# KiCad board RADAR_Main_Boardq.kicad_pcb (continued)
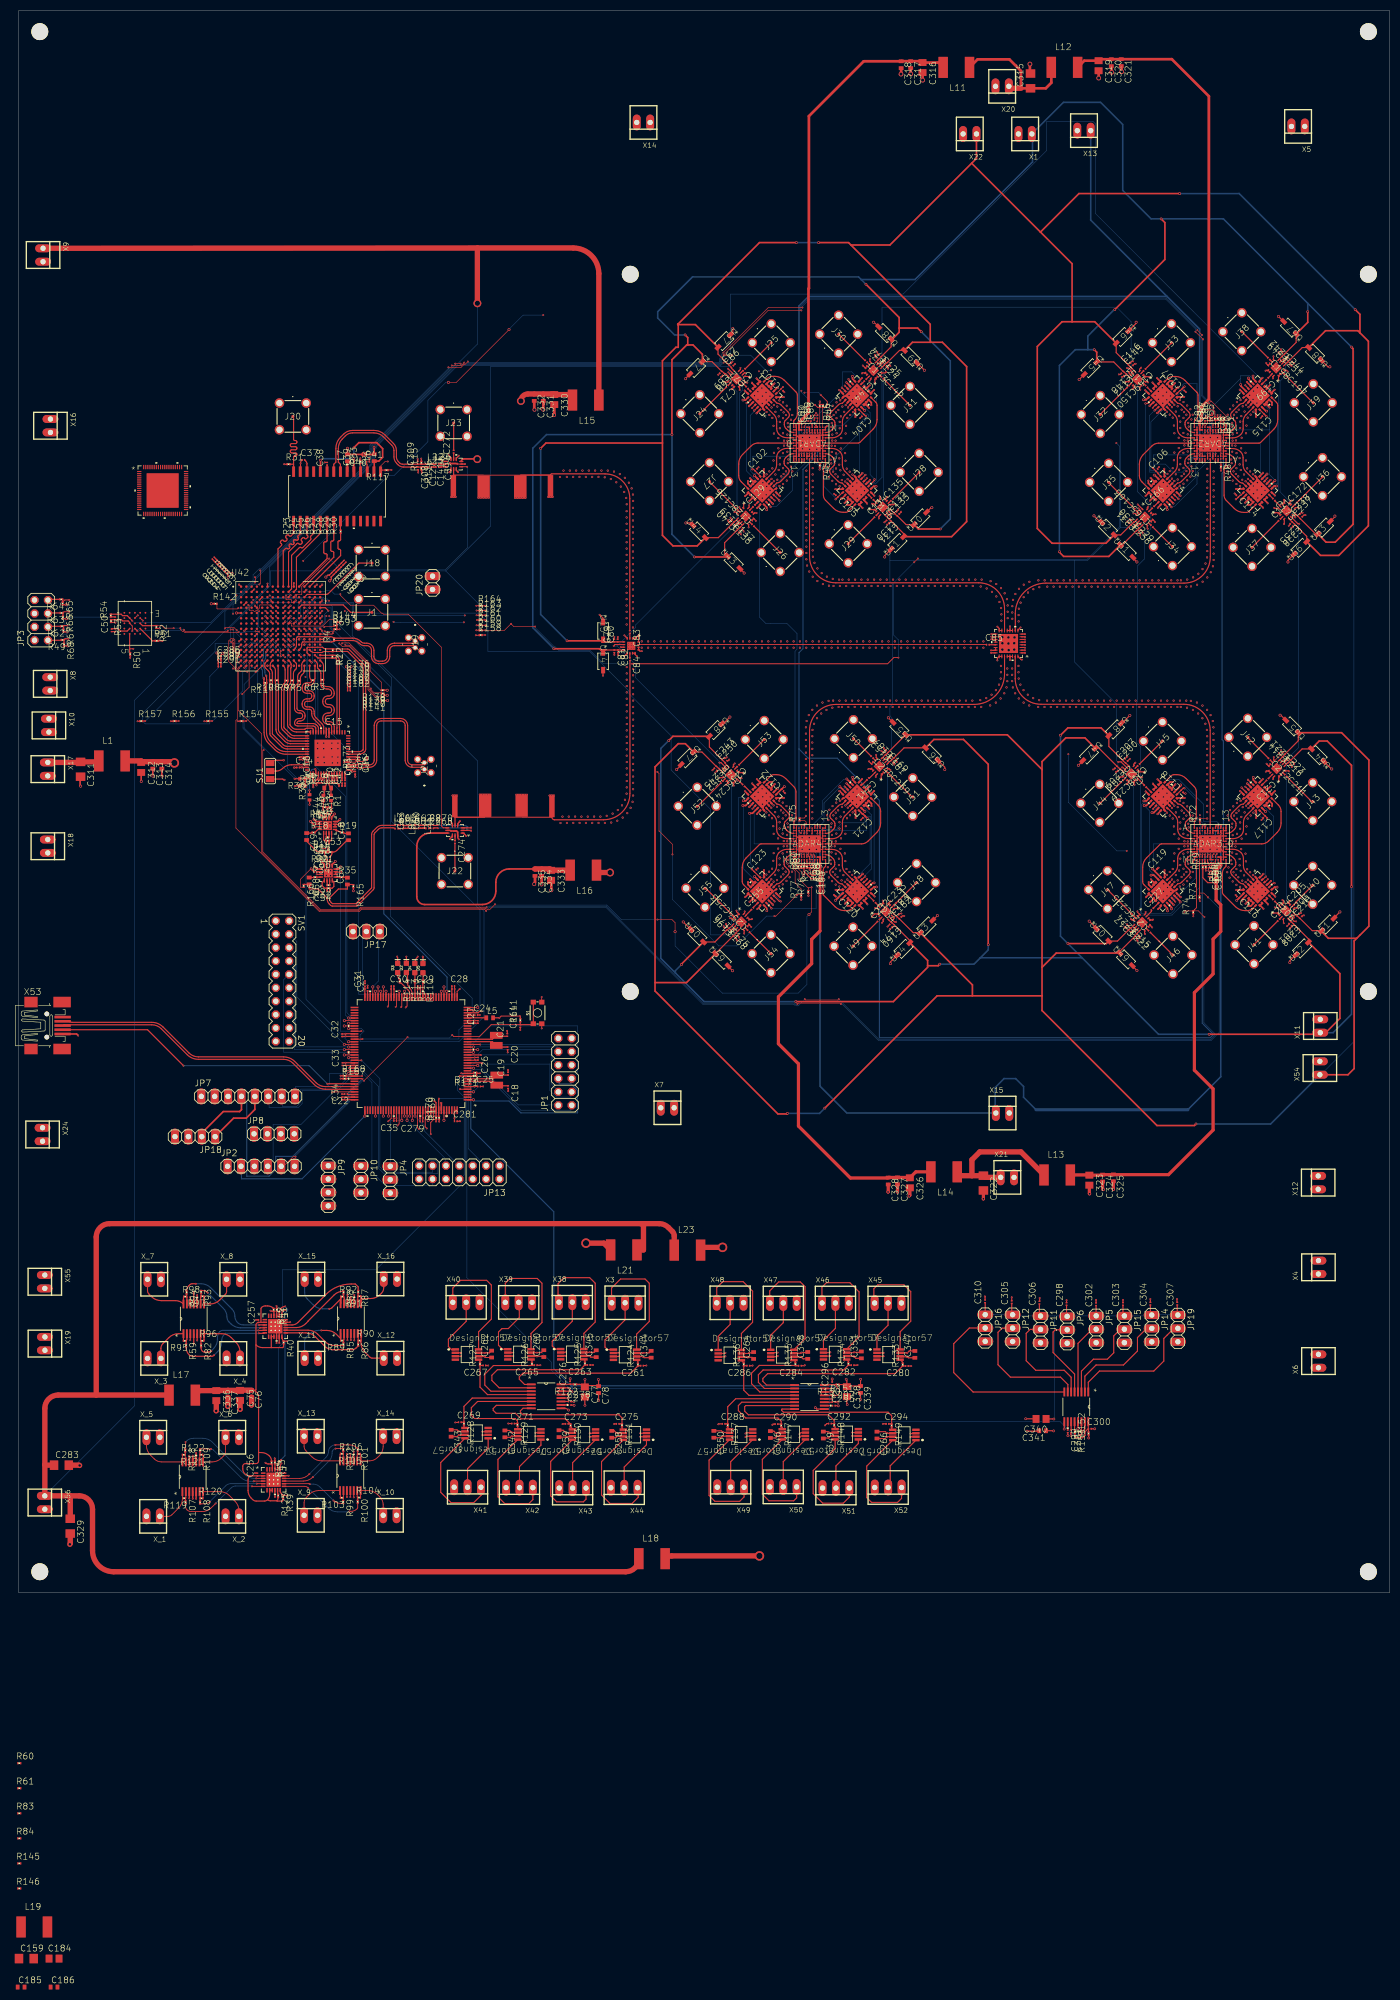
[diagram p0: board, top side]
## Routing (per net, layer and track width the routed paths; a pad name or vN(x,y) marks a point on that pad's centre or on a via; arc(x,y) is an arc through that point) (continued)
ADF4382_RX_DELSTR: length 34.7
  Top w0.15: U2.93 64.97,100.98 v1(65,100.95)
  Bottom w0.1: JP13.11 78.5,79.75 69.5,79.75 68.5,80.75 68.5,97.5 65,101 v1(65,100.95)
ADF4382_RX_LKDET: length 46.1
  Top w0.152: U2.91 v5(61.76,101.98)
  Bottom w0.1: v5(61.76,101.98) 62,102 64.5,102 64.5,99.75 68.25,96 68.25,80.5 69.25,79.5 79.5,79.5 79.5,81.5 79,82 76,82 76,81 JP13.13
ADF4382_TX_CE: length 15.2
  Top w0.15: U2.132 77.16,89.86 77.1,89.8 77.1,88.35 v1(77.4,88.05)
  In7.Cu w0.1: JP13.5 86,81 79,88 77.5,88 v1(77.4,88.05)
ADF4382_TX_CS: length 23.1
  Top w0.15: v1(75.95,87.9) 75.66,88.19 U2.129
  In7.Cu w0.1: JP13.4 88.5,78.25 87.75,77.5 83,77.5 82.5,78 82.5,81.25 76,87.75 v1(75.95,87.9)
ADF4382_TX_DELADJ: length 14
  Top w0.152: U2.128 v5(75.16,90.4)
  Bottom w0.1: JP13.7 83.5,81 77,87.5 77,88.5 75.25,90.25 v5(75.16,90.4)
ADF4382_TX_DELSTR: length 34.4
  Top w0.152: U2.127 v5(74.66,89.58)
  In7.Cu w0.1: JP13.6 86.25,78.5 87.25,79.5 87.25,86.75 79.75,94.25 76.25,94.25 72,90 72,89.5 72.5,89 74,89 74.5,89.5 v5(74.66,89.58)
ADF4382_TX_LKDET: length 24.7
  Top w0.152: U2.126 v5(74.16,90.4)
  Bottom w0.1: JP13.8 83.75,78.5 84.5,79.25 84.5,91 74.75,91 74.25,90.5 v5(74.16,90.4)
AMP_IF_IN_N: length 5
  Top w0.204: C52.2 59.12,139.6 arc(59.34,139.93) 59.41,140.31 R21.1 59.62,140.45 arc(60,140.53) 60.32,140.74 62.27,142.69 C48.1
AMP_IF_IN_P: length 5.5
  Top w0.204: C49.2 54.62,142.5 56.38,140.74 arc(56.7,140.53) 57.08,140.45 R20.2 57.96,140.35 arc(58.04,139.97) 58.26,139.64 C51.2
AMP_IN_N: length 31.5
  Top w0.204: L10.1 arc(71.35,145.52) 71.3,145.51 68.92,145.51 arc(68.36,145.4) 67.89,145.09 67.19,144.39 arc(67.01,144.11) 66.94,143.78 66.94,133.66 63.95,130.67 59.49,130.67 59.24,130.92 arc(59.03,131.24) 58.95,131.62 58.95,131.76 60.63,133.44 62.34,133.44 C57.1 63.26,134.3 arc(63.38,134.28) R165.1
AMP_IN_P: length 32.2
  Top w0.204: R166.1 arc(54.09,134.31) 54.13,134.32 C58.2 55.1,133.46 56.79,133.46 58.49,131.76 58.49,131.62 arc(58.6,131.06) 58.92,130.59 59.16,130.34 arc(59.31,130.24) 59.49,130.21 64.14,130.21 67.27,133.33 arc(67.37,133.48) 67.4,133.66 67.4,143.78 arc(67.43,143.93) 67.52,144.06 68.22,144.76 arc(68.54,144.97) 68.92,145.05 71,145.05 arc(71.21,145.01) L9.1
ANT1_1: length 0.7
  Top w0.204: C72.2 138.34,228.28 ADTR1107_3.17
ANT1_2: length 1
  Top w0.204: ADTR1107_7.17 214.1,228.52 C151.2
ANT1_3: length 1
  Top w0.204: ADTR1107_10.17 237.9,131.48 C206.2
ANT1_4: length 1.4
  Top w0.204: C234.2 162.15,131.23 ADTR1107_14.17
ANT2_1: length 0.7
  Top w0.204: ADTR1107_1.17 C129.2
ANT2_2: length 1.2
  Top w0.204: C166.2 215.38,206 ADTR1107_5.17
ANT2_3: length 1.2
  Top w0.204: ADTR1107_12.17 235.86,153.21 C213.2
ANT2_4: length 1.5
  Top w0.204: C241.2 159.97,153.21 ADTR1107_16.17
ANT3_1: length 0.8
  Top w0.204: ADTR1107_2.17 161.75,207.63 C136.2
ANT3_2: length 1
  Top w0.204: ADTR1107_6.17 237.21,208.15 C173.2
ANT3_3: length 1.3
  Top w0.204: C220.2 213.87,152.75 ADTR1107_11.17
ANT3_4: length 1.6
  Top w0.204: ADTR1107_15.17 137.72,152.9 C248.2
ANT4_1: length 0.8
  Top w0.204: ADTR1107_4.17 159.86,229.21 C144.2
ANT4_2: length 1.1
  Top w0.204: ADTR1107_8.17 235.86,229.21 C199.2
ANT4_3: length 1.4
  Top w0.204: C227.2 216.17,130.77 ADTR1107_9.17
ANT4_4: length 1.2
  Top w0.204: C255.2 139.35,129.97 ADTR1107_13.17
DAC_0: length 13.2
  Top w0.204: R30.1 61.06,199.7 arc(60.99,199.54) 60.83,199.47 60.79,199.47 arc(60.63,199.41) 60.56,199.25 60.56,198.08 arc(60.63,197.92) 60.79,197.85 60.83,197.85 arc(60.99,197.78) 61.06,197.62 61.06,196.66 U42.A14
DAC_1: length 13.2
  Top w0.204: R29.1 59.76,199.65 arc(59.69,199.49) 59.53,199.42 59.42,199.42 arc(59.25,199.36) 59.19,199.2 59.19,197.68 arc(59.25,197.52) 59.42,197.45 59.53,197.45 arc(59.69,197.38) 59.76,197.22 59.76,196.36 U42.A13
DAC_1_VG_CLR: length 57.1
  Top w0.152: U2.134 v5(78.16,90.4)
  Top w0.204: U7.12 49.91,48.53 arc(50,48.1) R40.1 arc(50.28,47.71) 50.32,47.7 v1(50.9,47.7)
  In5.Cu w0.1: v1(50.9,47.7) 51,47.75 77,73.75 77,88.75 77.5,88.75 78.25,89.5 78.25,90.25 v5(78.16,90.4)
DAC_1_VG_LDAC: length 65.7
  Top w0.15: U2.135 78.66,89.71 78.15,89.2 v1(78.15,86.95)
  Top w0.204: U7.22 48.41,53.28 arc(48.4,53.35) R42.2 47.98,53.41 arc(47.86,53.43) v1(47.75,53.5)
  In5.Cu w0.1: v1(78.15,86.95) 78,87 77.5,87 77.5,73.75 51,47.25 50.5,47.25 50.5,51 49.5,52 49.25,52 v1(47.75,53.5)
DAC_2: length 13.2
  Top w0.204: U42.A12 58.49,196.09 58.49,196.79 arc(58.42,196.95) 58.26,197.01 58.08,197.01 arc(57.92,197.08) 57.86,197.24 57.86,199.05 arc(57.92,199.21) 58.08,199.27 58.26,199.27 arc(58.42,199.34) 58.49,199.5 R28.1
DAC_2_VG_CLR: length 87.8
  Top w0.152: U2.139 v5(80.66,89.58)
  Top w0.204: U69.12 arc(49.69,19.03) 49.93,18.66 R39.1 50.94,18.46 arc(50.94,18.45) 50.95,18.45 arc(50.95,18.45) v1(50.95,18.46)
  In5.Cu w0.1: v5(80.66,89.58) 80.5,89.5 80,89 80,46.75 55.25,22 54.5,22 51,18.5 v1(50.95,18.46)
DAC_2_VG_LDAC: length 85.6
  Top w0.152: U2.140 v5(81.16,90.4)
  Top w0.204: U69.22 48.1,24.1 arc(48.06,24.28) R44.2 47.32,24.44 arc(47.04,24.49) 46.8,24.65 arc(46.8,24.66) v1(46.8,24.66)
  In5.Cu w0.1: v5(81.16,90.4) 81,90.25 78.75,90.25 78.75,89.25 79,89 79.5,89 79.5,57.5 46.75,24.75 v1(46.8,24.66)
DAC_3: length 13.2
  Top w0.204: R27.1 52.68,196.34 52.68,190.28 U42.B11
DAC_4: length 13.6
  Top w0.204: R26.1 55.38,200.32 arc(55.31,200.16) 55.38,200 arc(55.44,199.84) 55.38,199.68 53.88,198.18 arc(53.72,198.11) 53.56,198.18 arc(53.4,198.25) 53.23,198.18 51.75,196.7 51.75,190.35 U42.B10
DAC_5: length 13.2
  Top w0.204: U42.A10 51.18,197.36 52.77,198.95 arc(52.93,199.01) 53.09,198.95 53.21,198.83 arc(53.37,198.77) 53.53,198.83 53.74,199.04 arc(53.8,199.2) 53.74,199.36 53.62,199.48 arc(53.56,199.64) 53.62,199.8 53.84,200.01 arc(54,200.08) 54.16,200.01 54.27,199.9 arc(54.43,199.83) 54.59,199.9 54.8,200.11 arc(54.87,200.27) 54.8,200.43 54.69,200.54 arc(54.62,200.7) R25.1
DAC_6: length 13.2
  Top w0.204: U42.A9 50.18,197.59 50.6,198.01 arc(50.76,198.07) 50.92,198.01 50.95,197.98 arc(51.11,197.91) 51.27,197.98 51.36,198.07 arc(51.43,198.23) 51.36,198.39 51.33,198.42 arc(51.27,198.58) 51.33,198.74 51.42,198.83 arc(51.58,198.89) 51.74,198.83 51.77,198.8 arc(51.93,198.73) 52.09,198.8 52.18,198.89 arc(52.25,199.05) 52.18,199.21 52.15,199.24 arc(52.09,199.4) 52.15,199.56 52.24,199.65 arc(52.4,199.71) 52.56,199.65 52.59,199.62 arc(52.75,199.55) 52.91,199.62 53,199.71 arc(53.07,199.87) 53,200.03 52.97,200.06 arc(52.91,200.22) 52.97,200.38 R24.1
DAC_7: length 13.2
  Top w0.204: R23.1 51.66,200.39 arc(51.5,200.33) 51.34,200.39 51.18,200.54 arc(51.02,200.61) 50.86,200.54 50.68,200.37 arc(50.62,200.21) 50.68,200.05 50.84,199.89 arc(50.9,199.73) 50.84,199.57 50.66,199.39 arc(50.5,199.33) 50.34,199.39 50.19,199.55 arc(50.02,199.61) 49.86,199.55 49.69,199.37 arc(49.62,199.21) 49.69,199.05 49.84,198.89 arc(49.9,198.73) 49.84,198.57 49.18,197.92 U42.A8
DAC_ACOM: length 2
  Top w0.3: U3.20 62.36,212.64 L7.1
DAC_AVDD: length 23.2
  Top w0.3: v3(63.55,215.03) 63.54,215.02 C39.2 ; U3.24 57.25,212.61 v3(57.25,214.75) ; v3(63.55,217.07) 63.55,217.1 64.53,218.07 67.9,218.07 69.03,216.95 69.03,215.3 68.3,214.57 L6.1 67.44,212.64 U3.16
  Bottom w0.3: v3(57.25,214.75) 57.27,214.73 57.57,215.03 v3(63.55,215.03) v3(63.55,217.07)
DAC_CLOCK: length 16.2
  Top w0.204: 52.13,214 52.13,215.33 arc(52.2,215.49) 52.36,215.56 52.52,215.56 arc(52.68,215.62) 52.75,215.78 52.75,215.91 arc(52.68,216.07) 52.52,216.14 51.75,216.14 arc(51.59,216.21) 51.52,216.37 51.52,216.5 arc(51.59,216.66) 51.75,216.72 52.52,216.72 arc(52.68,216.79) 52.75,216.95 52.75,217.08 arc(52.68,217.24) 52.52,217.31 51.75,217.31 arc(51.59,217.37) 51.52,217.53 51.52,217.66 arc(51.59,217.82) 51.75,217.89 52.52,217.89 arc(52.68,217.96) 52.75,218.12 52.75,218.25 arc(52.68,218.41) 52.52,218.47 52.36,218.47 arc(52.2,218.54) 52.13,218.7 52.13,222.72 arc(52.1,222.9) J20.1 ; 52.13,214 U3.28 ; 52.13,214 arc(52.12,213.99) 52.11,213.99 R31.2 arc(51.45,214) 51.46,214
DAC_IOUT_F_N: length 1.4
  Top w0.204: L27.2 80,213.43 arc(80.07,213.45) C59.2 arc(80.15,213.5) 80.16,213.5 81.02,213.5 arc(81.03,213.5) U5.3
DAC_IOUT_F_P: length 1.4
  Top w0.204: L26.2 80.02,214.04 arc(80.08,214.03) C59.1 arc(80.15,214) 80.16,214 81.02,214 arc(81.03,214) U5.2
DAC_IOUT_N: length 27.3
  Top w0.204: 76.44,213.47 C127.2 arc(77.3,213.43) 77.37,213.41 L25.1 ; 76.44,213.47 arc(76.42,213.46) 76.4,213.45 C308.1 73,213.45 arc(72.42,213.57) 71.92,213.9 71.69,214.13 arc(71.68,214.15) 71.67,214.17 arc(71.3,214.72) 71.18,215.37 71.18,216.57 arc(71.06,217.13) 70.75,217.6 69.17,219.18 arc(68.34,219.73) 67.37,219.93 63.3,219.93 arc(62.58,219.78) 61.98,219.38 61.37,218.77 arc(60.82,217.94) 60.62,216.97 60.62,214.38 61.02,213.97 U3.21 ; 76.44,213.47 arc(76.4,213.46) R115.2
DAC_IOUT_P: length 27.9
  Top w0.204: U3.22 59.76,213.97 60.16,214.38 60.16,216.97 arc(60.39,218.12) 61.04,219.09 61.65,219.7 arc(62.41,220.21) 63.3,220.39 67.37,220.39 arc(68.52,220.16) 69.5,219.51 71.08,217.93 arc(71.49,217.31) 71.64,216.57 71.64,215.37 arc(71.73,214.9) 72,214.5 arc(72,214.48) 72.02,214.46 72.25,214.23 arc(72.51,214.05) 72.82,213.99 75.64,213.99 arc(75.67,214) C309.1 76.36,214.01 arc(76.36,214.01) R116.2 77.15,214 arc(77.19,214) C127.1 77.56,213.97 arc(77.63,213.98) L22.1
DAC_SLEEP: length 33.2
  Top w0.1: U3.15 68.65,213.65 69.5,214.5 v1(70,214.5)
  Top w0.15: U42.A15 v2(56.55,191.15)
  Top w0.152: U3.15 68.94,212.87 R117.2
  In5.Cu w0.1: v1(70,214.5) 70,205.6 56.6,192.2 56.6,191.2 v2(56.55,191.15)
DAC_VOUT_VG_1: length 19.5
  Top w0.204: v1(45.6,50.8) 46.66,50.8 arc(46.67,50.8) U7.3 ; v1(33.6,58.6) 32.86,58.6 arc(32.67,58.56) 32.5,58.45 32.26,58.21 arc(31.95,57.74) R94.1
  Bottom w0.204: v1(33.6,58.6) 34.6,58.6 arc(35.57,58.41) 36.39,57.86 40.43,53.82 arc(40.85,53.19) 41,52.45 arc(41.13,51.8) 41.49,51.26 41.5,51.25 arc(42,50.92) 42.59,50.8 v1(45.6,50.8)
DAC_VOUT_VG_2: length 17.5
  Top w0.204: U7.16 51.84,50.79 arc(52.44,50.91) 52.95,51.25 58.26,56.56 arc(60.47,58.04) 63.07,58.56 63.84,58.56 64.39,58 R87.1
DAC_VOUT_VG_3: length 15.6
  Top w0.204: v1(45.7,50.25) 46.59,50.25 arc(46.64,50.26) U7.4 ; R93.1 34.85,57.31 arc(35.39,57.21) v1(35.85,56.9)
  Bottom w0.204: v1(45.7,50.25) 42.05,50.25 arc(41.08,50.44) 40.26,50.99 39.89,51.36 arc(39.6,51.79) 39.5,52.3 arc(39.33,53.18) 38.83,53.92 v1(35.85,56.9)
DAC_VOUT_VG_4: length 13.6
  Top w0.204: R88.1 61.57,57.19 arc(60.61,56.99) 59.8,56.45 54.89,51.54 arc(54.86,51.5) 54.85,51.45 54.43,51.03 arc(53.61,50.48) 52.64,50.29 U7.15
DAC_VOUT_VG_5: length 15.5
  Top w0.204: v1(45.45,49.75) 46.59,49.75 arc(46.64,49.76) U7.5 ; R82.2 34.59,46.43 arc(34.66,46.09) 34.85,45.8 arc(35.02,45.69) 35.21,45.65 35.95,45.65 arc(36.27,45.71) v1(36.55,45.9)
  Bottom w0.204: v1(36.55,45.9) 36.96,46.31 arc(37.51,47.13) 37.7,48.1 37.7,48.46 arc(37.82,49.05) 38.15,49.55 arc(38.37,49.7) 38.63,49.75 v1(45.45,49.75)
DAC_VOUT_VG_6: length 11.9
  Top w0.204: R85.2 59.92,46.89 arc(58.95,47.08) 58.12,47.63 56.7,49.05 arc(55.88,49.6) 54.91,49.79 U7.14
DAC_VOUT_VG_7: length 19
  Top w0.204: v1(37.05,45.05) 36.99,44.99 arc(36.83,44.89) 36.65,44.85 32.95,44.85 arc(32.63,44.91) 32.35,45.1 arc(31.9,45.78) 31.74,46.57 R59.2 ; v1(45.55,49.2) 46.47,49.2 arc(46.59,49.22) U7.6
  Bottom w0.204: v1(45.55,49.2) 39.2,49.2 38.99,48.99 arc(38.63,48.45) 38.5,47.8 38.5,47.55 arc(38.31,46.58) 37.76,45.76 v1(37.05,45.05)
DAC_VOUT_VG_8: length 15.1
  Top w0.204: R86.2 64.01,46.44 arc(63.64,46.19) 63.2,46.1 59.62,46.1 arc(58.77,46.27) 58.05,46.75 56.25,48.55 arc(55.43,49.1) 54.46,49.29 U7.13
DAC_VOUT_VG_9: length 19.3
  Top w0.15: v1(31.65,28.6) 31.65,27.4 arc(31.63,27.31) R118.1 ; U69.3 45.07,21.69 arc(45.06,21.69) v1(45.05,21.7)
  Bottom w0.15: v1(31.65,28.6) 31.82,28.77 arc(32.41,29.16) 33.1,29.3 34.95,29.3 arc(35.92,29.11) 36.74,28.56 42.86,22.44 arc(43.68,21.89) 44.65,21.7 v1(45.05,21.7)
DAC_VOUT_VG_10: length 17.2
  Top w0.15: v1(60.05,28.05) 62.69,28.05 arc(63.56,27.88) R101.1 ; U69.16 53.24,21.69 arc(54.21,21.88) 55.03,22.43 v1(55.15,22.55)
  Bottom w0.15: v1(55.15,22.55) 58.23,25.63 arc(58.65,26.26) 58.8,27 arc(58.86,27.28) 59.01,27.51 59.2,27.7 arc(59.59,27.96) v1(60.05,28.05)
DAC_VOUT_VG_11: length 14.4
  Top w0.15: U69.4 44.65,21.19 arc(44.59,21.18) v1(44.55,21.15) ; R109.1 36.42,27.28 arc(36.46,27.28) v1(36.5,27.25)
  Bottom w0.15: v1(44.55,21.15) 43.9,21.15 arc(42.93,21.34) 42.11,21.89 36.93,27.07 arc(36.73,27.2) v1(36.5,27.25)
DAC_VOUT_VG_12: length 14.3
  Top w0.15: v1(60.1,27.35) 61.47,27.35 arc(61.51,27.36) R102.1 ; v1(55.8,21.95) 55.78,21.93 arc(54.96,21.38) 53.99,21.19 U69.15
  Bottom w0.15: v1(55.8,21.95) 58.85,25 arc(59.29,25.66) 59.45,26.45 59.45,26.76 arc(59.48,26.89) 59.55,27 59.76,27.21 arc(59.92,27.31) v1(60.1,27.35)
DAC_VOUT_VG_13: length 13.5
  Top w0.15: R108.2 35.22,16.88 arc(35.78,16.99) 36.25,17.3 arc(36.25,17.29) v1(36.26,17.29) ; v1(45.15,20.7) 46.35,20.7 arc(46.36,20.7) U69.5
  Bottom w0.15: v1(36.26,17.29) 39.26,20.29 arc(39.71,20.59) 40.25,20.7 v1(45.15,20.7)
DAC_VOUT_VG_14: length 12.6
  Top w0.15: U69.14 54.98,20.69 arc(55.1,20.67) 55.2,20.6 arc(55.2,20.6) v1(55.2,20.61) ; R99.2 60.99,16.97 arc(60.29,17.1) v1(59.7,17.5)
  Bottom w0.15: v1(59.7,17.5) 57.1,20.1 arc(56.54,20.48) 55.88,20.61 v1(55.2,20.61)
DAC_VOUT_VG_15: length 17.7
  Top w0.15: v1(37.35,16.95) 36.54,16.14 arc(35.72,15.59) 34.75,15.4 32.74,15.4 arc(32.29,15.49) 31.9,15.75 arc(31.71,16.03) 31.65,16.35 R107.2 ; U69.6 44.25,20.19 arc(44.25,20.19) v1(44.25,20.19)
  Bottom w0.15: v1(37.35,16.95) 40.3,19.9 arc(40.69,20.16) 41.15,20.25 44.13,20.25 arc(44.19,20.24) 44.25,20.2 arc(44.25,20.19) v1(44.25,20.19)
DAC_VOUT_VG_16: length 17
  Top w0.15: v1(62.75,15.45) 62.99,15.45 arc(63.65,15.58) 64.2,15.95 arc(64.27,16.06) 64.3,16.19 R100.2 ; U69.13 54.2,20.19 arc(54.58,20.11) v1(54.9,19.9)
  Bottom w0.15: v1(54.9,19.9) 58.71,16.09 arc(59.53,15.54) 60.5,15.35 62.51,15.35 arc(62.64,15.38) v1(62.75,15.45)
DET1_1: length 14.5
  Top w0.204: ADTR1107_3.12 141.85,230.15 arc(142.41,230.52) 143.06,230.65 143.41,230.65 arc(144.38,230.46) 145.2,229.91 147.47,227.64 arc(147.63,227.4) 147.69,227.11 147.69,223.54 arc(147.58,222.97) 147.25,222.48 147.05,222.28 arc(147.01,222.22) 147,222.16 ADAR1_0.N13
DET1_2: length 14.6
  Top w0.204: 223,220.98 ADAR2_0.N13 223,222.13 arc(223.01,222.2) 223.05,222.25 223.25,222.46 arc(223.58,222.94) 223.69,223.52 223.69,227.08 arc(223.63,227.37) 223.47,227.62 221.2,229.88 arc(220.38,230.43) 219.41,230.62 219.06,230.62 arc(218.41,230.49) 217.85,230.12 217.41,229.69 ; 217.41,229.69 217.37,229.64 ; 217.41,229.69 217.4,229.7 ADTR1107_7.12
DET1_3: length 14.5
  Top w0.204: ADAR3_0.N13 229,137.84 arc(228.99,137.78) 228.95,137.72 228.75,137.52 arc(228.42,137.03) 228.31,136.46 228.31,132.89 arc(228.37,132.6) 228.53,132.36 230.8,130.09 arc(231.62,129.54) 232.59,129.35 232.94,129.35 arc(233.59,129.48) 234.15,129.85 ADTR1107_10.12 234.65,130.35
DET1_4: length 14.5
  Top w0.204: ADTR1107_14.12 158.65,130.3 158.65,130.3 ; 158.65,130.3 158.2,129.85 arc(157.64,129.48) 156.99,129.35 156.64,129.35 arc(155.67,129.54) 154.85,130.09 152.58,132.36 152.58,137 arc(152.64,137.28) 152.8,137.52 153,137.72 arc(153.04,137.78) 153.05,137.84 153.05,139 ADAR4_0.N13 ; 158.65,130.3 158.68,130.33
DET2_1: length 17.8
  Top w0.204: ADTR1107_1.12 137.05,210.65 arc(136.69,211.2) 136.56,211.84 136.56,214.04 arc(136.75,215.01) 137.3,215.83 138.93,217.46 arc(139.53,217.86) 140.23,218 ADAR1_0.G13
DET2_2: length 17.9
  Top w0.204: 214.29,209.39 214.3,209.4 ADTR1107_5.12 ; 214.29,209.39 214.33,209.34 ; 214.29,209.39 213.05,210.62 arc(212.69,211.17) 212.56,211.81 212.56,214.01 arc(212.75,214.98) 213.3,215.81 214.93,217.44 arc(215.53,217.83) 216.23,217.98 223,217.98 ADAR2_0.G13
DET2_3: length 17.9
  Top w0.204: 237.65,150.65 ADTR1107_12.12 238.95,149.35 arc(239.31,148.8) 239.44,148.16 239.44,145.96 arc(239.25,144.99) 238.7,144.17 237.07,142.54 arc(236.47,142.14) 235.77,142 ADAR3_0.G13
DET2_4: length 18
  Top w0.204: 161.72,150.62 163,149.35 arc(163.36,148.8) 163.49,148.16 163.49,145.96 arc(163.3,144.99) 162.75,144.17 161.12,142.54 arc(160.52,142.14) 159.82,142 ADAR4_0.G13 ; 161.72,150.62 161.7,150.6 ADTR1107_16.12 ; 161.72,150.62 161.72,150.63
DET3_1: length 15.1
  Top w0.204: ADTR1107_2.12 157.36,205.07 arc(157.15,204.92) 156.89,204.87 156.36,204.87 arc(155.39,205.06) 154.57,205.61 153.05,207.13 arc(152.74,207.6) 152.63,208.14 152.63,212.88 arc(152.71,213.29) 152.94,213.63 arc(152.98,213.7) 153,213.77 ADAR1_0.A1
DET3_2: length 15.2
  Top w0.204: 234.63,206.31 234.61,206.29 ; 234.61,206.29 234.6,206.3 ADTR1107_6.12 ; 234.61,206.29 233.36,205.04 arc(233.15,204.9) 232.89,204.84 232.36,204.84 arc(231.39,205.04) 230.57,205.59 229.05,207.11 arc(228.74,207.57) 228.63,208.12 228.63,212.86 arc(228.71,213.26) 228.94,213.61 arc(228.98,213.67) 229,213.75 ADAR2_0.A1
DET3_3: length 15.1
  Top w0.204: ADAR3_0.A1 223,146.23 arc(223.02,146.3) 223.06,146.37 arc(223.29,146.71) 223.37,147.12 223.37,151.86 arc(223.26,152.4) 222.95,152.87 221.43,154.39 arc(220.61,154.94) 219.64,155.13 219.11,155.13 arc(218.85,155.08) 218.64,154.93 217.38,153.67 ; 217.38,153.67 ADTR1107_11.12 217.4,153.65 217.38,153.67
DET3_4: length 15.2
  Top w0.204: 141.43,153.67 142.69,154.93 arc(142.9,155.08) 143.16,155.13 143.69,155.13 arc(144.66,154.94) 145.48,154.39 147,152.87 arc(147.31,152.4) 147.42,151.86 147.42,147.12 arc(147.34,146.71) 147.11,146.37 arc(147.07,146.3) 147.05,146.23 147.05,145 ADAR4_0.A1 ; 141.43,153.67 141.42,153.67 ; 141.43,153.67 141.4,153.7 ADTR1107_15.12
DET4_1: length 16.8
  Top w0.204: ADTR1107_4.12 162.56,225.73 arc(162.75,225.46) 162.81,225.14 162.81,222.44 arc(162.62,221.47) 162.07,220.65 159.54,218.12 arc(159.41,218.03) 159.25,218 ADAR1_0.G1
DET4_2: length 16.9
  Top w0.204: 237.69,226.59 238.56,225.71 arc(238.75,225.44) 238.81,225.12 238.81,222.42 arc(238.62,221.45) 238.07,220.62 235.54,218.09 arc(235.41,218.01) 235.25,217.98 229,217.98 ADAR2_0.G1 ; 237.69,226.59 237.67,226.61 ; 237.69,226.59 237.7,226.6 ADTR1107_8.12
DET4_3: length 16.8
  Top w0.204: 214.35,133.35 ADTR1107_9.12 213.44,134.27 arc(213.25,134.54) 213.19,134.86 213.19,137.56 arc(213.38,138.53) 213.93,139.35 216.46,141.88 arc(216.59,141.97) 216.75,142 ADAR3_0.G1
DET4_4: length 16.8
  Top w0.204: 138.35,133.4 138.35,133.4 ADTR1107_13.12 ; 138.35,133.4 138.38,133.37 ; 138.35,133.4 137.49,134.27 arc(137.3,134.54) 137.24,134.86 137.24,137.56 arc(137.43,138.53) 137.98,139.35 140.51,141.88 arc(140.64,141.97) 140.8,142 ADAR4_0.G1 147.05,142
DIG_0: length 82.2
  Top w0.15: U42.F13 v2(54.55,186.15)
  Top w0.152: U2.77 v5(62.58,108.98)
  Bottom w0.1: v2(54.55,186.15) 54.5,186 54.75,185.75 54.75,185.5 55,185.25 55,182 55.75,181.25 55.75,176.75 56.25,176.25 56.25,156.75 62,151 62,109.5 62.5,109 v5(62.58,108.98)
DIG_1: length 87.7
  Top w0.152: U2.78 v5(61.76,108.48)
  Top w0.204: U42.E16 58.17,186.78 v1(58.75,186.2)
  Bottom w0.1: v1(58.75,186.2) 58.75,186.25 58,185.5 58,184 57,183 56,183 56,182.25 55.75,182 55.75,181.75 56.75,180.75 56.75,165.5 62.25,160 62.25,110 63.25,109 62.75,108.5 62,108.5 v5(61.76,108.48)
DIG_2: length 163.2
  Top w0.15: U42.D16 v2(57.55,188.15)
  Top w0.152: U2.79 v5(62.58,107.98)
  In5.Cu w0.1: v5(62.58,107.98) 62.5,108 61.5,108 58.5,111 48,111 8.25,150.75 7.75,150.75 7.75,189 8.5,189.75 10.75,189.75 11.75,188.75 57,188.75 57.5,188.25 v2(57.55,188.15)
DIG_3: length 166.1
  Top w0.15: U42.F15 v2(56.55,186.15)
  Top w0.152: U2.80 v5(61.76,107.48)
  In5.Cu w0.1: v5(61.76,107.48) 62,107.5 63.25,107.5 63.25,109 61,111.25 48.25,111.25 8.5,151 8,151 8,188.75 8.75,189.5 10.5,189.5 11.5,188.5 36.25,188.5 37,187.75 54.75,187.75 56.25,186.25 56.5,186.25 v2(56.55,186.15)
DIG_4: length 140.1
  Top w0.152: U2.81 v5(62.58,106.98)
  Bottom w0.1: v5(62.58,106.98) 62.75,107 65,107 65.5,106.5 64.75,105.75 64.75,104.5 83.5,104.5 88.25,109.25 88.25,129.25 87,130.5 87,157.75 63.25,181.5 63.25,187.5 53.25,187.5 53,187.25 53,184.75 53.75,184.75 54,185 54,186.75 54.5,186.75 55,186.25 55,185.75 55.75,185.75 56,186 56,186.5 56.25,186.75 v1(56.18,186.78)
DIG_5: length 87
  Top w0.15: U42.H11 v2(52.55,184.15) ; U2.82 64.98,106.48 v1(65,106.5)
  Bottom w0.1: v1(65,106.5) 61,106.5 61,136 54.75,142.25 54.75,179.75 53,181.5 53,183.5 52.5,184 v2(52.55,184.15)
DIG_6: length 123.8
  Top w0.15: v1(65.2,105) 65.18,104.98 U2.85 ; U42.G12 v2(53.55,185.15)
  Bottom w0.1: v2(53.55,185.15) 53.5,185.25 53.5,187.25 59.25,187.25 59.5,187 59.5,184.75 70.75,173.5 70.75,146.25 87.5,129.5 87.5,110.75 83.5,106.75 83.5,105 v1(65.2,105)
DIG_7: length 89.6
  Top w0.15: U42.H12 v2(53.55,184.15)
  Top w0.152: U2.86 v5(62.58,104.48)
  Bottom w0.1: v5(62.58,104.48) 62.5,104.5 54.5,112.5 54.5,152.75 51,156.25 51,184.75 52.5,184.75 53,184.25 53.5,184.25 v2(53.55,184.15)
EN/DIS_COOLING: length 12.7
  Top w0.152: U2.123 v5(72.66,89.58)
  Bottom w0.1: JP4.1 70.5,81 70.5,89.5 72.5,89.5 v5(72.66,89.58)
EN/DIS_RFPA_VDD: length 13.6
  Top w0.15: v1(71.85,88.6) 72.16,88.91 U2.122
  In7.Cu w0.1: JP10.1 65,81 71.75,87.75 71.75,88.5 v1(71.85,88.6)
EN_+1V0_FPGA: length 35.3
  Top w0.15: U2.58 72.66,111.16 v1(72.55,111.05)
  In5.Cu w0.1: v1(72.55,111.05) 72.5,111 72.5,113.5 71,113.5 69.75,114.75 69.75,117 60.5,117 51.25,126.25 50,126.25 49,127.25 SV1.1
EN_+1V8_CLOCK: length 28.7
  Top w0.152: U2.89 v5(61.76,102.98)
  Bottom w0.1: SV1.8 51.5,119.75 52.25,119 52.25,103 61.75,103 v5(61.76,102.98)
EN_+1V8_FPGA: length 29.3
  Top w0.152: U2.59 v5(72.16,114.06)
  In7.Cu w0.1: v5(72.16,114.06) 72,114.25 72,114.75 63,123.75 50,123.75 49,124.75 SV1.3
EN_+3V3_ADAR12: length 24.8
  Top w0.152: U2.64 v5(69.66,114.06)
  In7.Cu w0.1: v5(69.66,114.06) 69.75,114.25 69.75,115 66.5,118.25 50,118.25 49,117.25 SV1.9
EN_+3V3_ADAR34: length 23.1
  Top w0.152: U2.65 v5(69.16,114.88)
  In5.Cu w0.1: SV1.11 49,114.75 50,115.75 51.75,115.75 52,115.5 68.5,115.5 69,115 v5(69.16,114.88)
EN_+3V3_ADTR: length 21.8
  Top w0.152: U2.66 v5(68.66,114.06)
  In5.Cu w0.1: SV1.13 49,112.25 50,113.25 67.75,113.25 68.5,114 v5(68.66,114.06)
EN_+3V3_CLOCK: length 28.7
  Top w0.152: U2.90 v5(62.58,102.48)
  Bottom w0.1: v5(62.58,102.48) 62.5,102.5 50.25,102.5 50.25,116.25 51.25,117.25 SV1.10
EN_+3V3_FPGA: length 31.6
  Top w0.15: U2.60 71.66,111.26 v1(71.5,111.1)
  In7.Cu w0.1: v1(71.5,111.1) 71.5,114.25 71.75,114.5 65,121.25 50,121.25 49,122.25 SV1.5
EN_+3V3_SW: length 24
  Top w0.152: U2.67 v5(68.16,114.88)
  In7.Cu w0.1: v5(68.16,114.88) 68,115 67.5,115.5 56,115.5 51.25,110.75 50,110.75 49,109.75 SV1.15
EN_+3V3_VDD_SW: length 22.9
  Top w0.152: U2.68 v5(67.66,114.06)
  In7.Cu w0.1: SV1.17 49,107.25 50,108.25 51.25,108.25 52.5,109.5 63,109.5 67.5,114 v5(67.66,114.06)
EN_+5V0_ADAR: length 29.3
  Top w0.15: U2.63 70.16,111.31 v1(70,111.15)
  In7.Cu w0.1: SV1.7 49,119.75 50,118.75 66.5,118.75 70.25,115 70.25,114 70,113.75 v1(70,111.15)
EN_+5V0_PA1: length 32.3
  Top w0.15: U2.56 73.66,111.26 v1(73.4,111)
  In7.Cu w0.1: v1(73.4,111) 73.25,111 63.25,101 52.5,101 49,104.5 SV1.19
EN_+5V0_PA2: length 28.5
  Top w0.152: U2.57 v5(73.16,114.06)
  In5.Cu w0.1: v5(73.16,114.06) 73,114.25 60,127.25 51.5,127.25 SV1.2
EN_+5V0_PA3: length 27.2
  Top w0.152: U2.87 v5(61.76,103.98)
  Bottom w0.1: SV1.4 51.5,124.75 52.75,123.5 52.75,113 61.75,104 v5(61.76,103.98)
EN_+5V5_PA: length 30.6
  Top w0.152: U2.88 v5(62.58,103.48)
  Bottom w0.1: SV1.6 51.5,122.25 52.5,121.25 52.5,103.5 62.5,103.5 v5(62.58,103.48)
EN_OPAMP_IF_1: length 0.8
  Top w0.15: v1(56.52,136.23) 56.53,136.22 U8.15
EN_OPAMP_IF_2: length 1.3
  Top w0.15: U4.15 56.11,145.24 v1(55.93,145.05)
FPGA_ADC_CLOCK_N: length 28.5
  Top w0.204: U42.N12 53.39,178.99 arc(53.6,179.31) 53.68,179.69 53.68,179.91 arc(53.71,180.09) 53.81,180.23 53.85,180.27 arc(53.87,180.28) 53.9,180.29 59.34,180.29 arc(59.59,180.34) R4.1 arc(59.89,180.5) 59.97,180.55 63.35,180.55 arc(64,180.42) 64.54,180.06 64.6,180 arc(65.06,179.69) 65.6,179.59 66.02,179.59 arc(66.65,179.33) 66.91,178.7 66.91,177.52 arc(67.3,176.57) 68.25,176.18 69.03,176.18 arc(69.98,176.57) 70.37,177.52 70.37,178.7 arc(70.63,179.33) 71.26,179.59 arc(71.26,179.59) 71.26,179.59 74.8,179.59 J19.2
FPGA_ADC_CLOCK_P: length 30.5
  Top w0.204: U42.N11 52.39,178.99 arc(52.6,179.31) 52.68,179.69 52.68,180.92 arc(52.71,181.09) 52.81,181.23 arc(52.87,181.27) 52.93,181.28 59.12,181.28 arc(59.49,181.21) R4.2 arc(59.83,181) 59.86,181.01 63.35,181.01 arc(64.17,180.85) 64.87,180.38 64.93,180.33 arc(65.24,180.12) 65.6,180.05 66.02,180.05 arc(66.98,179.66) 67.37,178.7 67.37,177.52 arc(67.63,176.9) 68.25,176.64 69.03,176.64 arc(69.65,176.9) 69.91,177.52 69.91,178.7 arc(70.3,179.66) 71.26,180.05 arc(71.26,180.05) 71.26,180.05 74.8,180.05 J19.1
FPGA_CLOCK_TEST: length 26.8
  Top w0.204: U42.H14 v2(55.55,184.15)
  In5.Cu w0.204: v2(55.55,184.15) 55.5,184 56,183.5 63,183.5 69.5,190 78.5,190 JP20.1
FPGA_DAC_CLOCK: length 15.5
  Top w0.204: U42.C13 54.7,189.3 58.35,189.3 arc(58.54,189.34) 58.71,189.45 64.5,195.24 J18.1
FPGA_FLASH_CLK: length 31.2
  Top w0.204: R51.2 27.26,180.49 27.27,180.48 v1(27.27,180.48) ; U42.E8 v2(48.81,187.15)
  In7.Cu w0.204: v2(48.81,187.15) 48.85,187.15 48.85,187.05 49.5,186.4 49.5,183.9 49.05,183.45 47.9,183.45 47.15,182.7 47.15,182.65 47.25,182.55 47.25,182.25 47.15,182.15 47.15,182.1 47.3,181.95 47.3,181.85 47.15,181.7 47.15,181.65 47.25,181.55 47.25,181.25 47,181 46.8,181 46.4,180.6 46.4,180.4 46,180 45.8,180 45.55,179.75 45.5,179.75 45.35,179.9 45.25,179.9 45.1,179.75 45.05,179.75 44.95,179.85 44.65,179.85 44.55,179.75 44.5,179.75 43.15,181.1 27.95,181.1 27.35,180.5 27.3,180.5 v1(27.27,180.48)
